# Altium PCB LarixEDUV3b.PcbDoc (part 2 of 2)
Units mm, origin at the board's own origin, x right, y up, seen from the top; angles counter-clockwise.
Board outline 56 x 65 mm, 2 copper layers (Top Layer, Bottom Layer), stack 1.621 mm thick; 132 components, 118 nets, 633 pads, 273 vias.
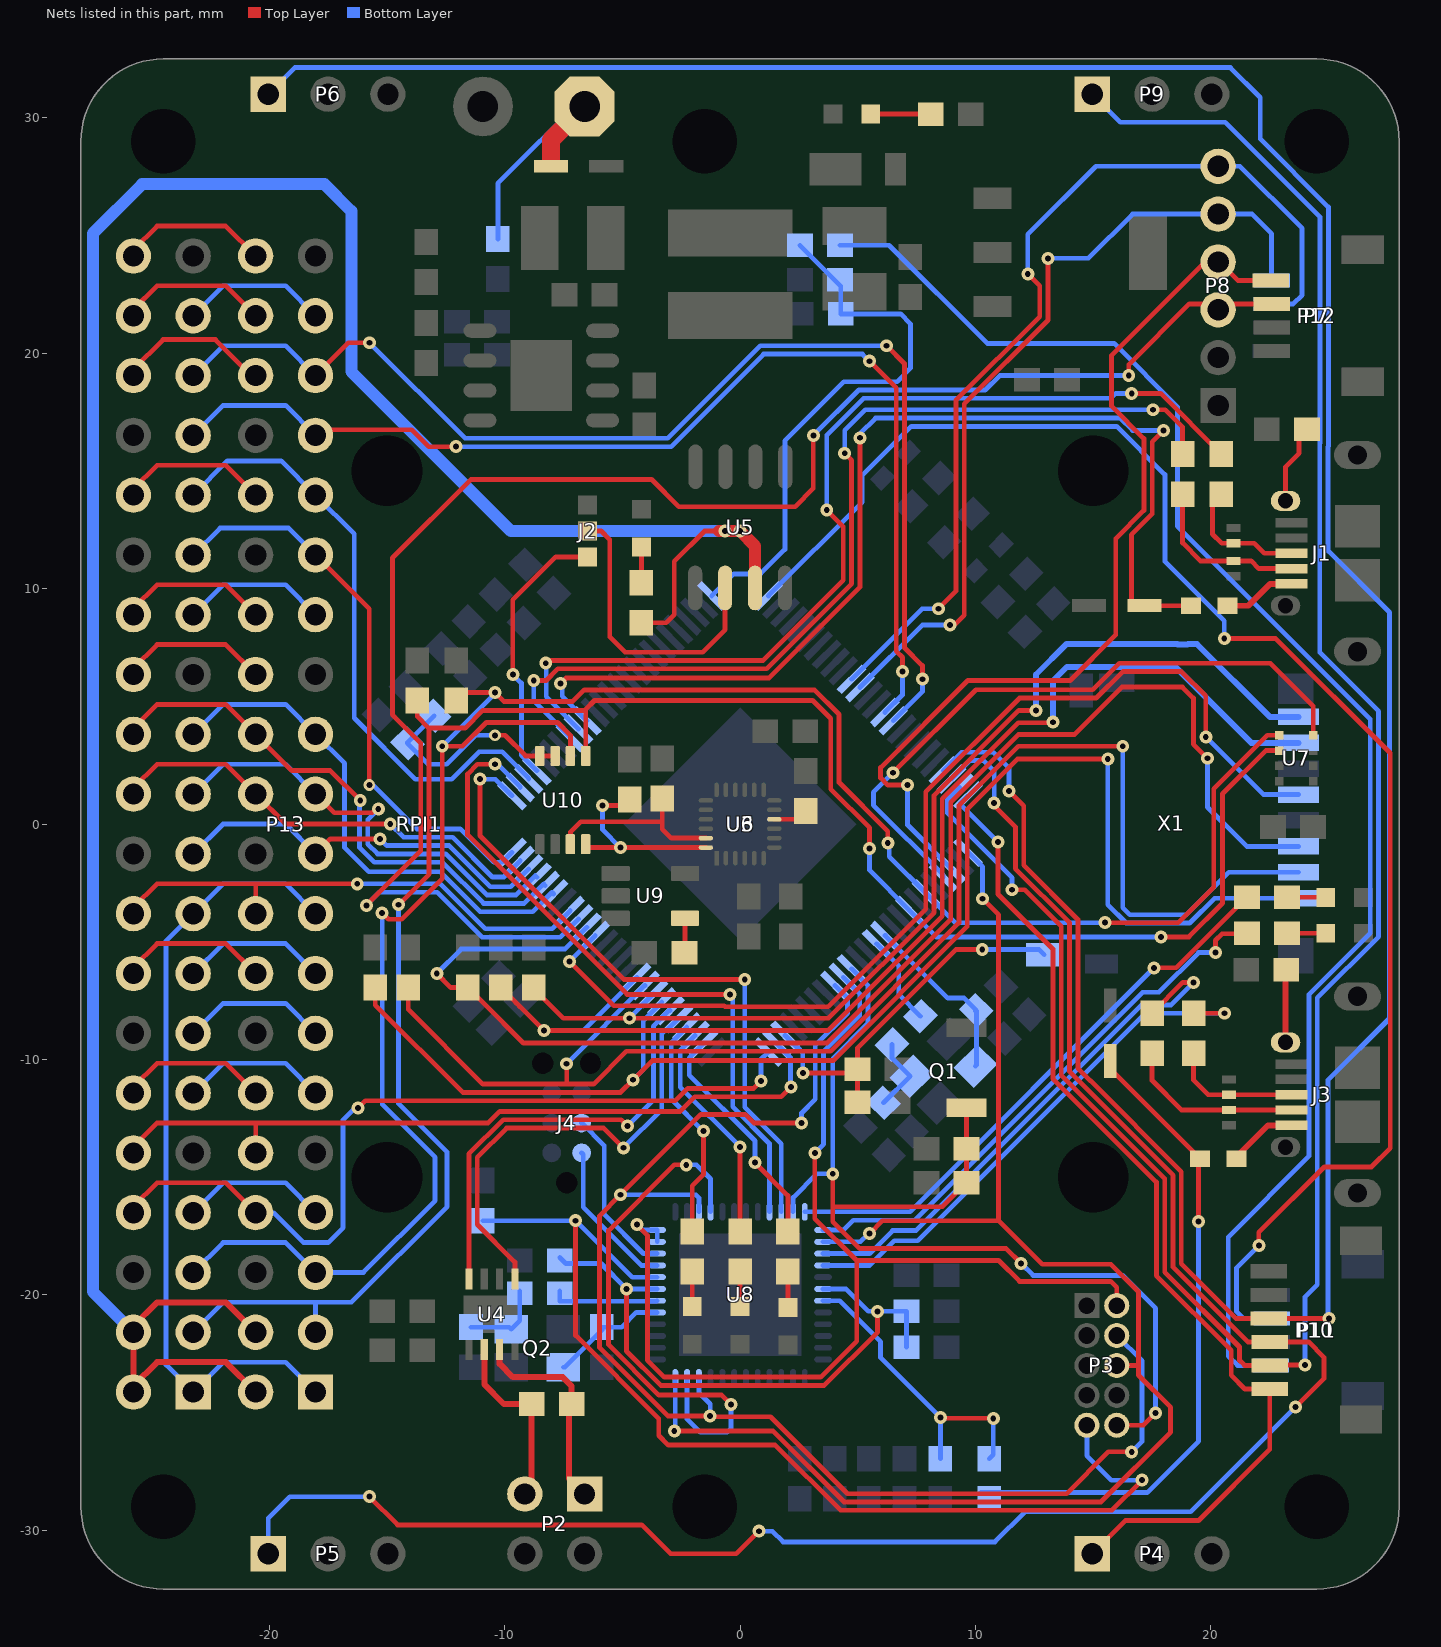
[diagram p2: the nets of this part, all layers, seen from the top]

## Via types
v1: diameter 0.55, hole 0.25, Top Layer to Bottom Layer, tented both sides, 269 vias
v2: diameter 0.5, hole 0.25, Top Layer to Bottom Layer, tented both sides, 4 vias

## Nets (pads, with @x,y where several pads share a name; then routed paths per layer and width w, separated by ;. In a path a pad name is that pad's centre, name@x,y a point inside that pad or via, vN(x,y) a via of type N, cw(c..) or ccw(c..) an arc to the next point about the centre after c; other vN are vias at no path point) (continued)
NetC23_1: C23.1 P3.10 R15.1 S1.2 U3.65 U8.47 | length 45.2
  Top Layer w0.203: v1(3.937,-14.859) 3.937,-16.256 ; S1.2@9.613,-12.055 R15.1@9.613,-13.793 C23.1@9.613,-15.24 8.597,-16.256 3.937,-16.256 ; v1(11.938,-18.669) 11.303,-18.034 5.08,-18.034 3.937,-16.891 3.937,-16.256 ; P3.10@16.002,-25.54 17.132,-25.54 v1(17.653,-25.019)
  Bottom Layer w0.203: U8.47@2.25,-16.475 2.25,-15.867 3.258,-14.859 v1(3.937,-14.859) 3.937,-9.969 5.433,-8.473 5.433,-6.847 U3.65@4.738,-6.152 ; v1(11.938,-18.669) 12.446,-19.177 16.256,-19.177 17.653,-20.574 v1(17.653,-25.019)
NetC24_2: C24.2 Q1.1 U3.61 | length 7.6
  Bottom Layer w0.203: U3.61@6.152,-4.738 6.174,-4.738 8.829,-7.393 9.516,-7.393 C24.2@10.03,-7.908 9.996,-7.942 10.041,-7.942 10.041,-10.243 Q1.1@9.996,-10.288
NetC25_1: C25.1 Q1.3 R16.2 | length 3.3
  Bottom Layer w0.203: C25.1@6.093,-11.845 7.223,-10.715 6.458,-9.951 R16.2@6.458,-9.364
NetC26_1: C26.1 R17.1 U3.73 X1.SW1 | length 16.4
  Top Layer w0.203: v1(2.667,-10.576) 4.83,-10.576 C26.1@4.992,-10.414 R17.1@4.992,-11.811 ; C26.1@5.157,-10.414 4.992,-10.249 4.992,-9.508 9.166,-5.334 v1(10.287,-5.334)
  Bottom Layer w0.203: U3.73@1.909,-8.98 2.413,-9.484 2.444,-9.484 2.667,-9.707 v1(2.667,-10.576) ; v1(10.287,-5.334) 12.709,-5.334 X1.SW1@12.925,-5.55
NetC27_2: C27.2 U6.10 | length 1.6
  Top Layer w0.203: U6.10@1.45,0.2 2.37,0.2 2.794,0.624 C27.2@2.794,0.674
NetC31_1: C31.1 R25.2 R26.2 U3.25 | length 23.8
  Bottom Layer w0.203: U3.25@-1.202,9.687 -0.267,10.623 0.864,10.623 1.905,11.664 1.905,16.283 4.411,18.789 6.669,18.789 7.239,19.359 7.239,21.249 6.822,21.666 C31.1@4.279,21.666 4.279,22.849 R25.2@2.544,24.584
NetC32_2: C32.2 Q2.3 U8.29 | length 5
  Bottom Layer w0.203: Q2.3@-7.505,-23.075 -7.441,-23.075 -5.866,-21.5 C32.2@-5.866,-21.375 -5.031,-21.375 -4.406,-20.75 U8.29@-3.525,-20.75
NetC33_2: C33.2 Q2.1 R29.1 | length 3.5
  Bottom Layer w0.203: C33.2@-11.43,-21.375 -9.81,-21.375 Q2.1@-9.723,-21.462 -9.359,-21.098 R29.1@-9.359,-19.837
NetC34_2: C34.2 C35.2 C36.2 U8.6 U8.31 | length 25.9
  Top Layer w0.203: v1(-4.826,-19.75) -4.826,-22.387 -3.364,-23.848 3.575,-23.848 5.842,-21.582 v1(5.842,-20.701)
  Bottom Layer w0.203: C35.2@-7.659,-18.415 -7.405,-18.669 -5.907,-18.669 v1(-4.826,-19.75) U8.31@-3.525,-19.75 ; U8.6@3.525,-19.75 4.497,-19.75 5.448,-20.701 v1(5.842,-20.701) C34.2@7.07,-20.701 C36.2@7.07,-22.225
NetC42_1: C42.1 U9.4 | length 1.5
  Top Layer w0.203: C42.1@-2.368,-5.461 -2.335,-5.428 U9.4@-2.335,-4.002
NetC44_1: C44.1 R36.1 U10.7 U10.8 | length 9.2
  Top Layer w0.203: v2(-10.414,3.766) -9.986,3.766 -9.111,2.891 U10.8@-8.507,2.891 U10.7@-7.857,2.891
  Bottom Layer w0.203: R36.1@-12.988,4.6 -14.131,3.457 C44.1@-14.131,3.429 -13.241,2.54 -12.458,2.54 -11.232,3.766 v2(-10.414,3.766)
NetD1_2: D1.2 L1.1 U3.10 | length 46.4
  Top Layer w0.203: v1(-7.62,5.969) -7.393,6.196 1.226,6.196 5.091,10.061 v1(5.091,16.406) ; D1.2@17.177,9.275 16.623,9.275 16.623,12.289 17.509,13.174 17.509,16.238 v1(17.992,16.721) ; D1.2@17.653,9.275 19.16,9.275 L1.1@19.164,9.271
  Bottom Layer w0.203: v1(-7.62,5.969) -7.554,5.903 -7.554,5.432 U3.10@-6.505,4.384 ; v1(5.091,16.406) 5.091,16.576 5.759,17.244 16.148,17.244 16.671,16.721 v1(17.992,16.721)
NetD2_2: D2.2 J1.2 R1.2 | length 7.1
  Top Layer w0.203: R1.2@18.796,14.009 18.796,11.938 19.558,11.176 D2.2@20.955,11.176 21.717,11.176 22.043,10.85 J1.2@23.423,10.85
NetD3_2: D3.2 J1.3 R2.2 | length 5.8
  Top Layer w0.203: R2.2@20.447,14.009 20.066,14.009 20.066,12.319 20.462,11.923 D3.2@20.955,11.923 21.844,11.923 22.267,11.5 J1.3@23.423,11.5
NetD5_1: D5.1 R5.2 | length 2.5
  Top Layer w0.203: D5.1@5.549,30.158 R5.2@8.099,30.158
NetD6_1: D6.1 R9.1 | length 1.5
  Top Layer w0.203: R9.1@-4.191,10.248 D6.1@-4.191,11.773
NetD7_1: D7.1 R22.2 | length 1.5
  Top Layer w0.203: D7.1@-2.032,-20.498 R22.2@-2.032,-19.011
NetD8_1: D8.1 R23.2 | length 1.5
  Top Layer w0.203: D8.1@0,-20.498 R23.2@0,-19.011
NetD9_1: D9.1 R24.2 | length 1.5
  Top Layer w0.203: R24.2@2.032,-19.011 2.032,-20.528 D9.1@2.041,-20.536
NetD10_1: D10.1 R27.1 | length 1.7
  Top Layer w0.203: R27.1@23.226,-4.639 D10.1@24.878,-4.639
NetD11_1: D11.1 R28.1 | length 1.7
  Top Layer w0.203: R28.1@23.226,-3.116 D11.1@24.878,-3.116
NetD12_2: D12.2 L5.1 R31.1 | length 28
  Top Layer w0.203: D12.2@15.726,-10.065 15.726,-10.405 L5.1@19.545,-14.224 ; L5.1@19.265,-14.351 19.477,-14.351 v1(19.477,-16.891)
  Bottom Layer w0.203: R31.1@10.229,-28.399 17.295,-28.399 19.477,-26.217 v1(19.477,-16.891)
NetD13_2: D13.2 J3.2 R33.2 | length 7.6
  Top Layer w0.203: R33.2@17.5,-9.74 17.5,-10.896 18.754,-12.15 D13.2@20.775,-12.15 J3.2@23.423,-12.15
NetD14_2: D14.2 J3.3 R34.2 | length 5.6
  Top Layer w0.203: R34.2@19.265,-9.74 19.265,-10.883 19.882,-11.5 D14.2@20.775,-11.5 J3.3@23.423,-11.5
NetD15_2: D15.2 P1.1 R3.2 | length 10.4
  Top Layer w0.762: D15.2@-8.034,28.194 -8.034,29.05 P1.1@-6.604,30.48
  Bottom Layer w0.203: R3.2@-10.287,24.853 -10.287,27.213 P1.1@-6.65,30.85
NetJ1_1: J1.1 L1.2 | length 3.1
  Top Layer w0.254: L1.2@20.714,9.271 21.59,9.271 22.519,10.2 J1.1@23.423,10.2
NetJ1_Z1: J1.Z2 R4.2 | length 3.3
  Top Layer w0.203: J1.Z2@23.172,13.725 23.172,15.171 23.747,15.746 R4.2@23.747,16.764
NetJ2_2: J2.2 U5.2 | length 12.6
  Top Layer w0.203: J2.2@-6.477,12.446 -5.901,12.446 -5.536,12.081 -5.536,7.949 -4.886,7.299 -1.591,7.299 -0.635,8.255 U5.2@-0.635,10.028
NetJ2_3: J2.3 U3.4 | length 11.6
  Top Layer w0.203: v1(-9.652,6.35) -9.652,9.525 -7.831,11.346 J2.3@-6.477,11.346
  Bottom Layer w0.203: v1(-9.652,6.35) -9.289,5.987 -9.289,2.925 U3.4@-8.627,2.263
NetJ3_1: J3.1 L5.2 | length 2.9
  Top Layer w0.254: L5.2@21.082,-14.146 22.428,-12.8 J3.1@23.423,-12.8
NetJ3_Z1: J3.Z2 R35.2 | length 3.1
  Top Layer w0.254: J3.Z2@23.172,-9.275 23.172,-6.253 R35.2@23.241,-6.184
NetJ4_2: J4.2 U8.33 | length 6.5
  Bottom Layer w0.203: J4.2@-6.731,-13.97 -6.664,-14.037 -6.664,-16.276 -4.191,-18.75 U8.33@-3.525,-18.75
NetJ4_4: J4.4 U8.34 | length 7.2
  Bottom Layer w0.203: J4.4@-6.731,-12.7 -5.77,-13.661 -5.77,-16.582 -4.102,-18.25 U8.34@-3.525,-18.25
NetP2_1: P2.1 R8.2 U4.7 | length 9
  Top Layer w0.254: U4.7@-10.216,-22.328 -10.216,-22.931 -9.652,-23.495 -7.532,-23.495 -7.151,-23.876 R8.2@-7.151,-24.638 -7.263,-24.75 -7.263,-27.801 P2.1@-6.604,-28.46
NetP2_3: P2.3 R8.1 U4.6 | length 7.8
  Top Layer w0.254: U4.6@-10.866,-22.328 -10.866,-23.805 -10.033,-24.638 R8.1@-8.851,-24.638 -8.851,-28.167 P2.3@-9.144,-28.46
NetP3_2: P3.2 U3.66 U8.35 U8.36 | length 46.8
  Top Layer w0.203: v1(-4.386,-17.018) -3.937,-17.467 -3.937,-22.776 -3.218,-23.495 3.429,-23.495 4.953,-21.971 4.953,-18.542 ; v1(3.175,-13.97) 3.175,-16.764 4.953,-18.542 ; P3.2@16.002,-20.46 16.002,-19.685 15.748,-19.431 11.873,-19.431 10.984,-18.542 4.953,-18.542
  Bottom Layer w0.203: v1(-4.386,-17.018) -4.154,-17.25 U8.36@-3.525,-17.25 -3.516,-17.25 U8.35@-3.516,-17.75 ; v1(3.175,-13.97) 3.55,-13.595 3.55,-9.66 5.08,-8.13 5.08,-7.201 U3.66@4.384,-6.505
NetP3_4: P3.4 U3.67 U8.22 U8.39 | length 60.3
  Top Layer w0.203: v1(2.609,-12.7) 0.579,-12.7 0.217,-12.338 -1.67,-12.338 v1(-5.08,-15.748) -5.969,-16.637 -5.969,-22.242 -3.065,-25.146 v1(-1.27,-25.146) -1.239,-25.177 1.293,-25.177 4.563,-28.448 13.867,-28.448 15.645,-26.67 v1(16.637,-26.67)
  Bottom Layer w0.203: v1(-5.08,-15.748) -1.877,-15.748 -1.75,-15.875 U8.39@-1.75,-16.475 ; U8.22@-1.75,-23.525 -1.75,-24.158 -1.27,-24.638 v1(-1.27,-25.146) ; v1(2.609,-12.7) 2.609,-12.28 3.196,-11.693 3.196,-9.403 4.565,-8.034 4.565,-7.393 U3.67@4.031,-6.859 ; P3.4@16.002,-21.73 17.077,-22.805 17.077,-26.23 v1(16.637,-26.67)
NetP3_6: P3.6 U3.51 U8.2 U8.24 | length 64.5
  Top Layer w0.203: v1(-2.794,-25.781) 1.397,-25.781 4.417,-28.801 15.327,-28.801 18.288,-25.84 18.288,-24.778 16.925,-23.415 16.925,-23 ; v1(5.5,-17.399) 6.047,-16.852 10.984,-16.852 ; v1(10.3,-3.175) 10.984,-3.859 10.984,-16.852 ; P3.6@16.002,-23 16.925,-23 ; 10.984,-16.852 12.832,-18.7 15.754,-18.7 16.925,-19.871 16.925,-23
  Bottom Layer w0.203: v1(-2.794,-25.781) -2.75,-25.737 U8.24@-2.75,-23.525 ; U8.2@3.525,-17.75 5.11,-17.75 5.461,-17.399 v1(5.5,-17.399) ; U3.51@9.687,-1.202 10.3,-1.815 v1(10.3,-3.175)
NetP3_9: P3.9 R30.2 U8.32 | length 45.4
  Top Layer w0.203: v1(-6.985,-16.852) -6.985,-21.726 -3.455,-25.256 -3.455,-25.976 -3.05,-26.382 1.498,-26.382 4.271,-29.154 15.795,-29.154 v1(17.077,-27.872)
  Bottom Layer w0.203: R30.2@-10.922,-16.852 -7.015,-16.852 v1(-6.985,-16.852) ; v1@-6.979,-16.852 -4.581,-19.25 U8.32@-3.525,-19.25 ; P3.9@14.732,-25.54 14.732,-26.836 15.768,-27.872 v1(17.077,-27.872)
NetP4_1: P4.1 P10.1 U3.50 | length 43.4
  Top Layer w0.203: v1(10.956,-0.762) 10.956,-2.974 13.291,-5.309 13.291,-10.814 17.686,-15.209 17.686,-19.186 20.862,-22.362 20.862,-23.42 21.442,-24 P10.1@22.5,-24 22.5,-26.565 19.474,-29.591 16.369,-29.591 P4.1@14.96,-31
  Bottom Layer w0.203: U3.50@9.687,1.202 9.34,0.854 v1(10.956,-0.762)
NetP5_1: P5.1 P10.3 U3.48 | length 86.6
  Top Layer w0.203: v1(-15.748,-28.575) -14.551,-29.772 -4.181,-29.772 -2.953,-31 -0.161,-31 v1(0.797,-30.042) ; v1(10.795,0.889) 10.795,0.779 11.695,-0.122 11.695,-1.9 13.998,-4.203 13.998,-10.522 18.392,-14.916 18.392,-18.826 21.566,-22 P10.3@22.5,-22 24.149,-22 24.799,-22.65 24.799,-23.555 v1(23.597,-24.757)
  Bottom Layer w0.203: P5.1@-20.04,-31 -20.04,-29.482 -19.133,-28.575 v1(-15.748,-28.575) ; v1(0.797,-30.042) 1.374,-30.042 1.827,-30.494 10.828,-30.494 12.11,-29.212 19.142,-29.212 v1(23.597,-24.757) ; U3.48@8.98,1.909 9.766,2.695 10.348,2.695 10.795,2.247 v1(10.795,0.889)
NetP6_1: P6.1 P10.4 U3.47 | length 133.1
  Top Layer w0.203: v1(11.43,1.397) 12.048,0.779 12.048,-1.754 14.351,-4.056 14.351,-10.375 14.84,-10.865 ; 14.87,-10.894 18.746,-14.77 18.746,-18.68 21.066,-21 P10.4@22.468,-21 v1(25.019,-21)
  Bottom Layer w0.203: P6.1@-20.04,31 -18.909,32.131 20.828,32.131 22.098,30.861 22.098,29.102 24.992,26.207 24.992,16.044 24.976,16.028 24.976,11.6 27.587,8.989 27.587,-8.262 24.976,-10.873 24.976,-20.957 v1(25.019,-21) ; U3.47@8.627,2.263 9.412,3.048 10.756,3.048 11.43,2.374 v1(11.43,1.397)
NetP7_3: P7.3 P8.3 U3.92 | length 70.9
  Top Layer w0.203: v1(-15.875,-3.458) -13.561,-1.144 -13.561,3.438 -14.765,4.642 -14.765,11.299 -11.425,14.639 -3.762,14.639 -2.601,13.479 2.336,13.479 3.111,14.254 v1(3.111,16.51) ; v1(16.51,19.05) 16.51,19.513 19.087,22.09 P7.3@22.578,22.09
  Bottom Layer w0.203: v1(-15.875,-3.458) -15.319,-2.903 -12.865,-2.903 -10.959,-4.808 -7.637,-4.808 U3.92@-6.859,-4.031 ; v1(3.111,16.51) 5.037,18.436 10.42,18.436 11.034,19.05 v1(16.51,19.05)
NetP7_4: P7.4 P8.4 U3.53 | length 40
  Top Layer w0.203: v1(7.112,1.651) 6.277,1.651 5.968,1.96 5.968,2.396 9.668,6.096 14.025,6.096 15.962,8.033 15.962,12.127 17.156,13.321 17.156,16.373 15.782,17.746 15.782,19.913 19.732,23.863 20.373,23.863 21.145,23.09 P7.4@22.546,23.09
  Bottom Layer w0.203: v1(7.112,1.651) 7.112,-0.041 U3.53@8.98,-1.909
NetP8_5: P8.5 P12.1 U3.37 | length 34.7
  Top Layer w0.203: v1(8.913,8.45) 9.098,8.45 9.525,8.877 9.525,17.85 13.081,21.406 v1@13.081,23.805
  Bottom Layer w0.203: U3.37@5.091,5.798 7.743,8.45 v1(8.913,8.45) ; v1(13.085,24.029) 14.797,24.029 16.675,25.908 P8.5@20.309,25.908 21.747,25.908 22.578,25.077 P12.1@22.578,23.09
NetP8_6: P8.6 P12.2 U3.36 | length 41
  Top Layer w0.203: v1(8.426,9.144) 9.172,9.89 9.172,17.996 12.728,21.552 12.728,22.863 v1(12.223,23.368)
  Bottom Layer w0.203: U3.36@4.738,6.152 7.73,9.144 v1(8.426,9.144) ; v1(12.223,23.368) 12.223,25.043 15.12,27.94 P8.6@20.309,27.94 21.231,27.94 23.873,25.298 23.873,22.462 23.501,22.09 P12.2@22.578,22.09
NetP9_1: P9.1 P10.2 U3.49 | length 95.8
  Top Layer w0.203: v1(11.557,-2.794) 12.09,-2.794 13.645,-4.349 13.645,-10.668 18.039,-15.062 18.039,-19.04 21.216,-22.216 21.216,-22.787 21.429,-23 P10.2@22.5,-23 22.513,-22.987 v1(24.003,-22.987)
  Bottom Layer w0.203: U3.49@9.334,1.556 8.799,1.021 8.799,0.472 11.557,-2.286 v1(11.557,-2.794) ; P9.1@14.96,31 16.149,29.811 20.608,29.811 24.638,25.781 24.638,16.189 24.623,16.174 24.623,7.289 27.126,4.786 27.126,-4.782 24.517,-7.39 24.517,-19.575 24.003,-20.09 v1(24.003,-22.987)
NetP11_2: P11.2 U3.26 | length 67.6
  Top Layer w0.203: v1(20.57,7.874) 22.759,7.874 27.616,3.017 27.616,-13.775 26.821,-14.571 24.817,-14.571 22.036,-17.352 v1(22.036,-17.907)
  Bottom Layer w0.203: U3.26@1.202,9.687 5.19,13.676 5.19,14.813 7.268,16.891 16.002,16.891 18.047,14.846 18.047,11.152 20.57,8.63 v1(20.57,7.874) ; v1(22.036,-17.907) 21.089,-18.854 21.089,-20.71 21.378,-21 P11.2@22.578,-21
NetP11_4: P11.4 R25.1 | length 65.4
  Bottom Layer w0.203: R25.1@4.244,24.584 6.327,24.584 10.497,20.414 15.89,20.414 18.578,17.727 18.578,12.651 26.773,4.456 26.773,-4.636 24.164,-7.244 24.164,-14.118 20.736,-17.546 20.736,-22.604 21.132,-23 P11.4@22.546,-23
NetP13_2: P13.2 P13.4 R9.2 RPI1.2 RPI1.4 U5.3 | length 110.7
  Top Layer w0.203: R9.2@-4.191,8.548 -3.136,8.548 -2.794,8.89 -2.794,11.161 -1.509,12.446 v1@-0.889,12.446
  Top Layer w0.254: RPI1.2@-25.77,-24.13 RPI1.2@-25.77,-23.865 ; P13.2@-20.576,-24.13 -21.846,-22.86 -24.765,-22.86 RPI1.2@-25.77,-23.865 ; P13.4@-20.576,-21.59 -21.846,-20.32 -24.765,-20.32 -25.77,-21.325 RPI1.4@-25.77,-21.59 RPI1.2@-25.77,-23.865
  Top Layer w0.508: v1@-0.889,12.446 v1(-0.635,12.446) v1(0,12.446) 0.635,11.811 U5.3@0.635,10.028
  Bottom Layer w0.508: RPI1.4@-25.77,-21.59 -27.494,-19.866 -27.494,25.084 -25.4,27.178 -17.653,27.178 -16.51,26.035 -16.51,19.217 -9.739,12.446 v1(-0.635,12.446) v1(0,12.446)
NetP13_3: P13.3 R19.1 RPI1.3 U3.58 U7.3 U10.5 | length 88.9
  Top Layer w0.203: v1(-14.505,-3.429) -13.208,-2.132 -13.208,4.064 ; R19.1@-13.716,5.246 -13.716,4.572 -13.219,4.075 -11.673,4.075 -10.922,4.826 -6.557,4.826 ; U10.5@-6.557,2.891 -6.557,4.826 ; v1(5.499,-1.035) 5.499,-0.165 3.849,1.485 3.849,4.481 3.084,5.246 -6.184,5.246 -6.557,4.873 -6.557,4.826 ; v1(17.879,-4.798) 19.065,-4.798 20.494,-3.37 20.494,1.282 22.33,3.119 U7.3@22.897,3.119
  Bottom Layer w0.203: RPI1.3@-23.23,-21.59 -21.96,-20.32 -18.036,-20.32 ; P13.3@-18.036,-21.59 -18.036,-20.32 ; v1(-14.505,-3.429) -14.505,-11.877 -12.446,-13.936 -12.446,-16.256 -16.51,-20.32 -18.036,-20.32 ; v1(5.499,-1.035) 5.499,-1.963 U3.58@7.212,-3.677 8.334,-4.798 v1(17.879,-4.798)
NetP13_5: P13.5 R18.1 RPI1.5 U3.56 U7.4 U10.6 | length 92.5
  Top Layer w0.203: v1(-15.203,-3.776) -14.934,-4.045 -14.376,-4.045 -12.651,-2.32 v1(-12.651,3.302) -11.794,3.302 -10.784,4.311 -7.753,4.311 -7.207,3.766 U10.6@-7.207,2.891 ; R18.1@-12.065,5.246 -11.723,5.588 v1(-10.414,5.588) -10.033,5.207 -7.112,5.207 -6.623,5.696 3.16,5.696 4.202,4.654 4.202,1.767 6.275,-0.306 v1(6.275,-0.814) ; v1(15.494,-4.191) 18.615,-4.191 20.12,-2.686 20.12,1.491 22.398,3.769 U7.4@22.897,3.769
  Bottom Layer w0.203: RPI1.5@-23.23,-19.05 -21.96,-17.78 -19.306,-17.78 P13.5@-18.036,-19.05 -16.002,-19.05 -12.954,-16.002 -12.954,-14.159 -15.203,-11.91 v1(-15.203,-3.776) ; v1(-12.651,3.302) -10.414,5.539 v1(-10.414,5.588) ; v1(6.275,-0.814) 6.342,-0.881 6.342,-1.392 U3.56@7.92,-2.97 9.141,-4.191 v1(15.494,-4.191)
NetP13_7: P13.7 RPI1.7 | length 6.2
  Bottom Layer w0.203: RPI1.7@-23.23,-16.51 -21.96,-15.24 -19.306,-15.24 P13.7@-18.036,-16.51
NetP13_8: P13.8 RPI1.8 U3.75 | length 35.3
  Top Layer w0.203: RPI1.8@-25.77,-16.51 -25.77,-16.245 -24.765,-15.24 -21.846,-15.24 P13.8@-20.576,-16.51 ; v1(-16.222,-12.065) -15.912,-11.755 -2.75,-11.755 -2.226,-11.232 0.579,-11.232 v1(0.889,-10.922)
  Bottom Layer w0.203: P13.8@-20.576,-16.51 -19.812,-16.51 -18.542,-17.78 -17.5,-17.78 -16.863,-17.143 -16.863,-12.562 -16.366,-12.065 v1(-16.222,-12.065) ; v1(0.889,-10.922) 0.889,-10 U3.75@1.202,-9.687
NetP13_10: P13.10 RPI1.10 U3.74 | length 32.6
  Top Layer w0.203: RPI1.10@-25.77,-13.97 -25.77,-13.705 -24.765,-12.7 -20.576,-12.7 ; P13.10@-20.576,-13.97 -20.576,-12.7 ; v1(2.159,-11.176) 1.75,-11.585 -1.916,-11.585 -2.54,-12.209 -10.21,-12.209 -10.701,-12.7 -20.576,-12.7
  Bottom Layer w0.203: U3.74@1.556,-9.334 2.141,-9.919 2.141,-11.158 v1(2.159,-11.176)
NetP13_11: P13.11 RPI1.11 | length 6.2
  Bottom Layer w0.203: RPI1.11@-23.23,-11.43 -21.96,-10.16 -19.306,-10.16 P13.11@-18.036,-11.43
NetP13_12: P13.12 RPI1.12 | length 6.4
  Top Layer w0.203: RPI1.12@-25.77,-11.43 -25.77,-11.165 -24.765,-10.16 -21.846,-10.16 P13.12@-20.576,-11.43
NetP13_13: P13.13 RPI1.13 | length 6.2
  Bottom Layer w0.203: RPI1.13@-23.23,-8.89 -21.96,-7.62 -19.306,-7.62 P13.13@-18.036,-8.89
NetP13_15: P13.15 RPI1.15 | length 6.2
  Bottom Layer w0.203: RPI1.15@-23.23,-6.35 -21.96,-5.08 -19.306,-5.08 P13.15@-18.036,-6.35
NetP13_16: P13.16 RPI1.16 | length 6.4
  Top Layer w0.203: RPI1.16@-25.77,-6.35 -25.77,-6.085 -24.765,-5.08 -21.846,-5.08 P13.16@-20.576,-6.35
NetP13_18: P13.18 RPI1.18 U3.93 | length 21.6
  Top Layer w0.203: RPI1.18@-25.77,-3.81 -25.77,-3.545 -24.765,-2.54 -20.576,-2.54 ; P13.18@-20.576,-3.81 -20.576,-2.54 ; v1(-16.262,-2.54) -20.576,-2.54
  Bottom Layer w0.203: v1(-16.262,-2.54) -12.728,-2.54 -10.816,-4.452 -7.987,-4.452 U3.93@-7.212,-3.677
NetP13_19: P13.19 RPI1.19 U3.98 | length 16.7
  Top Layer w0.203: P13.19@-18.036,-1.27 -17.399,-0.633 v1(-15.289,-0.633)
  Bottom Layer w0.203: RPI1.19@-23.23,-1.27 -21.96,0 -19.306,0 P13.19@-18.036,-1.27 ; v1(-15.289,-0.633) -15.004,-0.917 -12.353,-0.917 -10.603,-2.667 -9.738,-2.667 U3.98@-8.98,-1.909
NetP13_21: P13.21 RPI1.21 U3.97 | length 19.4
  Top Layer w0.203: P13.21@-18.036,1.27 -17.24,0.474 -15.622,0.474 -15.461,0.635 v1(-15.367,0.635)
  Bottom Layer w0.203: RPI1.21@-23.23,1.27 -21.96,2.54 -19.306,2.54 P13.21@-18.036,1.27 ; v1(-15.367,0.635) -15.815,0.187 -15.815,-0.851 -15.396,-1.27 -12.499,-1.27 -10.749,-3.02 -9.523,-3.02 -8.696,-2.193 U3.97@-8.627,-2.263
NetP13_22: P13.22 RPI1.22 U3.99 | length 19.4
  Top Layer w0.203: RPI1.22@-25.77,1.27 -25.77,1.535 -24.765,2.54 -21.846,2.54 P13.22@-20.576,1.27 -19.306,0 v1(-14.859,0)
  Bottom Layer w0.203: v1(-14.859,0) -14.856,0 -14.293,-0.564 -12.206,-0.564 -10.518,-2.252 -10.03,-2.252 U3.99@-9.334,-1.556
NetP13_23: P13.23 RPI1.23 U3.95 | length 22
  Bottom Layer w0.203: RPI1.23@-23.23,3.81 -21.96,5.08 -19.306,5.08 P13.23@-18.036,3.81 -16.801,2.575 -16.801,-1.008 -15.777,-2.032 -12.736,-2.032 -11.041,-3.727 -8.816,-3.727 -7.989,-2.9 U3.95@-7.92,-2.97
NetP13_24: P13.24 RPI1.24 U3.96 | length 23.3
  Top Layer w0.203: RPI1.24@-25.77,3.81 -25.77,4.075 -24.765,5.08 -21.846,5.08 -19.037,2.271 -17.405,2.271 v1(-16.133,1)
  Bottom Layer w0.203: v1(-16.133,1) -16.168,0.965 -16.168,-0.997 -15.542,-1.623 -12.645,-1.623 -10.895,-3.373 -9.169,-3.373 -8.343,-2.547 U3.96@-8.273,-2.616
NetP13_26: P13.26 RPI1.26 | length 6.4
  Top Layer w0.203: RPI1.26@-25.77,6.35 -25.77,6.615 -24.765,7.62 -21.846,7.62 P13.26@-20.576,6.35
NetP13_27: P13.27 RPI1.27 | length 6.2
  Bottom Layer w0.203: RPI1.27@-23.23,8.89 -21.96,10.16 -19.306,10.16 P13.27@-18.036,8.89
NetP13_28: P13.28 RPI1.28 | length 6.4
  Top Layer w0.203: RPI1.28@-25.77,8.89 -25.77,9.155 -24.765,10.16 -21.846,10.16 P13.28@-20.576,8.89
NetP13_29: P13.29 RPI1.29 U3.100 | length 24.5
  Top Layer w0.203: P13.29@-18.036,11.43 -15.837,9.231 -15.748,9.142 v2(-15.748,1.651)
  Bottom Layer w0.203: RPI1.29@-23.23,11.43 -22.087,12.573 -19.179,12.573 P13.29@-18.036,11.43 ; v2(-15.748,1.651) -15.588,1.651 -15.475,1.537 -13.727,-0.211 -11.883,-0.211 -10.467,-1.626 -10.112,-1.626 U3.100@-9.687,-1.202
NetP13_31: P13.31 RPI1.31 U3.3 | length 26
  Bottom Layer w0.203: RPI1.31@-23.23,13.97 -21.779,15.421 -19.487,15.421 P13.31@-18.036,13.97 -16.39,12.324 -16.39,4.503 -13.792,1.905 -12.248,1.905 -11.087,3.066 -10.109,3.066 -8.98,1.938 U3.3@-8.98,1.909
NetP13_32: P13.32 RPI1.32 | length 6.4
  Top Layer w0.203: RPI1.32@-25.77,13.97 -25.77,14.235 -24.765,15.24 -21.846,15.24 P13.32@-20.576,13.97
NetP13_33: P13.33 RPI1.33 U3.40 | length 47.7
  Top Layer w0.203: P13.33@-18.036,16.51 -17.794,16.752 -13.95,16.752 -13.227,16.029 v1(-12.074,16.029) ; v1(5.499,19.659) 6.632,18.526 6.632,7.347 6.899,7.079 v1(6.899,6.477)
  Bottom Layer w0.203: RPI1.33@-23.23,16.51 -21.96,17.78 -19.306,17.78 P13.33@-18.036,16.51 ; v1(-12.074,16.029) -2.932,16.029 1.001,19.961 5.197,19.961 v1(5.499,19.659) ; U3.40@6.152,4.738 6.899,5.485 v1(6.899,6.477)
NetP13_35: P13.35 RPI1.35 U3.41 | length 51.5
  Top Layer w0.203: P13.35@-18.036,19.05 -16.642,20.444 v1(-15.742,20.444) ; v1@6.255,20.342 v1(6.228,20.315) 6.985,19.558 6.985,7.493 7.747,6.731 v1(7.747,6.151)
  Bottom Layer w0.203: RPI1.35@-23.23,19.05 -21.96,20.32 -19.306,20.32 P13.35@-18.036,19.05 ; v1(-15.742,20.444) -11.68,16.382 -3.078,16.382 0.855,20.315 v1(6.228,20.315) ; U3.41@6.505,4.384 7.747,5.626 v1(7.747,6.151)
NetP13_36: P13.36 RPI1.36 | length 6.6
  Top Layer w0.203: RPI1.36@-25.77,19.05 -25.77,19.315 -24.508,20.577 -22.286,20.577 -20.759,19.05 P13.36@-20.576,19.05
NetP13_37: P13.37 RPI1.37 | length 6.2
  Bottom Layer w0.203: RPI1.37@-23.23,21.59 -21.96,22.86 -19.306,22.86 P13.37@-18.036,21.59
NetP13_38: P13.38 RPI1.38 | length 6.4
  Top Layer w0.203: RPI1.38@-25.77,21.59 -25.77,21.855 -24.765,22.86 -21.846,22.86 P13.38@-20.576,21.59
NetP13_40: P13.40 RPI1.40 | length 6.4
  Top Layer w0.203: RPI1.40@-25.77,24.13 -25.77,24.395 -24.765,25.4 -21.846,25.4 P13.40@-20.576,24.13
NetR1_1: R1.1 U3.8 | length 41.1
  Top Layer w0.203: v1(-8.763,6.096) -8.238,6.096 -7.741,6.593 1.124,6.593 4.738,10.207 4.738,15.455 v1(4.445,15.748) ; v1(17.543,17.597) 18.059,17.597 18.796,16.86 R1.1@18.796,15.709
  Bottom Layer w0.203: v1(-8.763,6.096) -8.763,5.227 U3.8@-7.212,3.677 ; v1(4.445,15.748) 4.445,16.718 5.324,17.597 v1(17.543,17.597)
NetR2_1: R2.1 U3.9 | length 42.5
  Top Layer w0.203: v1(-8.255,6.83) -8.139,6.946 0.977,6.946 4.385,10.354 4.385,12.633 v1(3.683,13.335) ; v1(16.637,18.288) 17.868,18.288 R2.1@20.447,15.709
  Bottom Layer w0.203: v1(-8.255,6.83) -8.237,6.812 -8.237,5.408 U3.9@-6.859,4.031 ; v1(3.683,13.335) 3.683,16.519 5.247,18.083 15.751,18.083 15.957,18.288 v1(16.637,18.288)
NetR10_1: R10.1 U3.82 X1.1 | length 61.2
  Top Layer w0.203: R10.1@-15.201,-6.946 -15.494,-7.239 -15.494,-7.691 -11.783,-11.402 -5.08,-11.402 v1(-4.542,-10.865) -3.727,-10.05 3.951,-10.05 9.652,-4.348 9.652,0.635 11.772,2.755 v1(15.621,2.755)
  Bottom Layer w0.203: v1(-4.542,-10.865) -4.115,-10.438 -4.115,-8.358 U3.82@-3.323,-7.566 ; v1(15.621,2.755) 15.621,-3.429 16.397,-4.205 19.101,-4.205 20.155,-3.15 X1.1@23.725,-3.15
NetR11_1: R11.1 U3.83 X1.8 | length 46.2
  Top Layer w0.203: R11.1@-8.763,-6.946 -8.763,-6.996 -7.509,-8.25 3.753,-8.25 8.24,-3.763 8.24,1.22 11.846,4.826 v1(12.573,4.826)
  Bottom Layer w0.203: v1(-4.694,-8.25) -4.694,-8.23 U3.83@-3.677,-7.212
  Bottom Layer w0.254: v1(12.573,4.826) 12.573,6.35 13.863,7.64 18.572,7.64 18.578,7.635 19.014,7.635 19.02,7.64 19.411,7.64 22.501,4.55 X1.8@23.725,4.55
NetR12_1: R12.1 U3.84 X1.2 | length 62.4
  Top Layer w0.203: R12.1@-13.716,-6.946 -14.097,-7.327 -14.097,-7.874 -10.922,-11.049 -7.366,-11.049 ; v1(-7.366,-10.184) -7.366,-11.049 ; v1(16.256,3.302) 11.82,3.302 9.299,0.781 9.299,-4.202 3.849,-9.652 -4.826,-9.652 -6.223,-11.049 -7.366,-11.049
  Bottom Layer w0.203: v1(-7.366,-10.184) -7.366,-10.177 -4.047,-6.859 U3.84@-4.031,-6.859 ; v1(16.256,3.302) 16.256,-3.556 16.552,-3.852 18.954,-3.852 20.756,-2.05 X1.2@23.725,-2.05
NetR13_1: R13.1 U3.85 X1.7 | length 51.2
  Top Layer w0.203: R13.1@-10.16,-6.946 -9.514,-7.592 -9.514,-7.6 -9.367,-7.747 -9.359,-7.747 -8.636,-8.47 v1(-8.329,-8.777) 3.726,-8.777 8.593,-3.91 8.593,1.074 11.819,4.3 13.267,4.3 v1(13.291,4.324)
  Bottom Layer w0.203: v1(-8.329,-8.777) -6.655,-8.777 U3.85@-4.384,-6.505
  Bottom Layer w0.254: v1(13.291,4.324) 13.291,6.083 13.885,6.677 18.488,6.677 21.714,3.45 X1.7@23.725,3.45
NetR14_1: R14.1 U3.91 X1.3 | length 59.4
  Top Layer w0.203: v1(-12.883,-6.35) -12.288,-6.946 R14.1@-11.563,-6.946 -10.911,-7.598 -10.911,-7.6 -9.208,-9.303 -4.977,-9.303 -4.972,-9.299 3.703,-9.299 8.946,-4.056 8.946,0.927 11.816,3.798 14.203,3.798 16.22,5.814 18.792,5.814 19.257,5.348 19.257,3.388 v1(19.852,2.794)
  Bottom Layer w0.203: v1(-12.883,-6.35) -11.848,-5.316 -7.439,-5.316 -6.508,-4.384 U3.91@-6.505,-4.384 ; v1(19.852,2.794) 19.852,0.722 21.524,-0.95 X1.3@23.725,-0.95
NetR16_1: R16.1 U3.62 | length 3.8
  Bottom Layer w0.203: U3.62@5.798,-5.091 6.737,-6.03 6.737,-7.239 R16.1@7.66,-8.162
NetR20_1: R20.1 U6.23 U10.3 | length 7.9
  Top Layer w0.203: U10.3@-7.207,-0.859 -7.207,-0.344 -6.766,0.097 -3.302,0.097 ; R20.1@-3.302,1.082 -3.302,0.097 ; U6.23@-1.45,-0.6 -2.919,-0.6 -3.302,-0.217 -3.302,0.097
NetR21_1: R21.1 U6.24 U10.4 | length 8.5
  Top Layer w0.203: U10.4@-6.557,-0.859 -6.557,-0.902 -6.459,-1 v1(-5.08,-1) U6.24@-1.45,-1 ; v1(-5.842,0.781) -4.957,0.781 R21.1@-4.694,1.044
  Bottom Layer w0.203: v1(-5.842,0.781) -5.842,-0.238 v1(-5.08,-1)
NetR22_1: R22.1 U3.79 | length 9.7
  Top Layer w0.203: R22.1@-2.032,-17.311 -2.032,-15.367 -1.556,-14.891 v1(-1.556,-13.047)
  Bottom Layer w0.203: U3.79@-2.263,-8.627 -2.921,-9.285 -2.921,-11.682 v1(-1.556,-13.047)
NetR23_1: R23.1 U3.78 | length 9.6
  Top Layer w0.203: R23.1@0,-17.311 v1(0,-13.716)
  Bottom Layer w0.203: U3.78@-1.909,-8.98 -2.54,-9.611 -2.54,-11.176 v1(0,-13.716)
NetR24_1: R24.1 U3.77 | length 10
  Top Layer w0.203: v1(0.635,-14.386) 2.032,-15.783 R24.1@2.032,-17.311
  Bottom Layer w0.203: U3.77@-1.556,-9.334 -2.159,-9.937 -2.159,-10.668 0.635,-13.462 v1(0.635,-14.386)
NetR27_2: R27.2 U8.1 | length 23.5
  Top Layer w0.203: v1(20.193,-5.461) 20.193,-4.948 20.477,-4.664 R27.2@21.526,-4.664
  Bottom Layer w0.203: U8.1@3.525,-17.25 4.384,-17.25 4.806,-16.828 7.416,-16.828 17.098,-7.146 17.793,-7.146 19.477,-5.461 v1(20.193,-5.461)
NetR28_2: R28.2 U8.48 | length 24.3
  Top Layer w0.203: v1(17.584,-6.111) 18.531,-6.111 R28.2@21.526,-3.116
  Bottom Layer w0.203: U8.48@2.75,-16.475 7.22,-16.475 v1(17.584,-6.111)
NetR29_2: R29.2 U8.30 | length 4.6
  Bottom Layer w0.203: R29.2@-7.659,-19.837 R29.2@-7.659,-19.939 -7.659,-20.276 -3.551,-20.276 U8.30@-3.525,-20.25
NetR31_2: R31.2 R32.1 U8.7 | length 13.2
  Top Layer w0.203: v1(8.509,-25.204) 8.551,-25.246 v1(10.756,-25.246)
  Bottom Layer w0.203: U8.7@3.525,-20.25 4.23,-20.25 5.969,-21.989 5.969,-22.664 v1(8.509,-25.204) R32.1@8.509,-26.963 ; R31.2@10.588,-26.963 10.756,-26.795 v1(10.756,-25.246)
NetR33_1: R33.1 U8.3 | length 22.8
  Top Layer w0.203: R33.1@17.5,-8.04 18.809,-6.731 v1(19.265,-6.731)
  Bottom Layer w0.203: U8.3@3.525,-18.25 5.499,-18.25 6.477,-17.272 7.471,-17.272 17.056,-7.687 17.232,-7.687 18.309,-7.687 v1(19.265,-6.731)
NetR34_1: R34.1 U8.4 | length 22.8
  Top Layer w0.203: R34.1@19.265,-8.04 v1(20.574,-8.04)
  Bottom Layer w0.203: U8.4@3.525,-18.75 3.527,-18.752 5.505,-18.752 6.557,-17.7 7.542,-17.7 17.202,-8.04 v1(20.574,-8.04)
NetU3_1: U3.1 U8.46 | length 28.3
  Top Layer w0.203: v1(-11.049,1.905) -11.049,-0.489 -4.934,-6.604 v1(0.2,-6.604)
  Bottom Layer w0.203: v1(-11.049,1.905) -10.39,1.905 U3.1@-9.687,1.202 ; v1(0.2,-6.604) 0.2,-12.028 1.75,-13.578 U8.46@1.75,-16.475
NetU3_2: U3.2 U8.45 | length 29.3
  Top Layer w0.203: v1(-10.414,2.54) -11.159,2.54 -11.575,2.123 -11.575,-0.462 -4.798,-7.239 v1(-0.42,-7.239)
  Bottom Layer w0.203: v1(-10.414,2.54) -10.292,2.54 -9.334,1.582 U3.2@-9.334,1.556 ; v1(-0.42,-7.239) -0.314,-7.345 -0.314,-12.013 1.25,-13.578 U8.45@1.25,-16.475
NetU3_54: U3.54 U7.5 | length 28.3
  Top Layer w0.203: U7.5@24.347,3.769 24.347,5.01 22.527,6.83 16.11,6.83 14.985,5.706 10.022,5.706 v1(6.494,2.178) ; v1(6.494,2.178) 6.641,2.178 6.494,2.031 v1(6.494,2.178)
  Bottom Layer w0.203: v1(6.494,2.178) 5.666,1.349 5.666,0.803 8.627,-2.158 U3.54@8.627,-2.263
NetU3_80: U3.80 U4.1 | length 19.4
  Top Layer w0.203: U4.1@-9.566,-19.328 -9.566,-18.609 -11.163,-17.012 -11.163,-14.161 -9.918,-12.915 -5.791,-12.915 v1(-4.953,-13.754)
  Bottom Layer w0.203: v1(-4.953,-13.754) -3.33,-12.131 -3.33,-8.918 -3.175,-8.763 -3.107,-8.763 U3.80@-2.616,-8.273
NetU3_81: U3.81 U4.4 | length 18.4
  Top Layer w0.203: U4.4@-11.516,-19.328 -11.516,-14.014 -10.064,-12.562 -5.05,-12.562 v1(-4.785,-12.827)
  Bottom Layer w0.203: v1(-4.785,-12.827) -4.778,-12.827 -3.683,-11.732 -3.683,-8.598 -3.005,-7.92 U3.81@-2.97,-7.92
NetU3_90: U3.90 X1.5 | length 45.3
  Top Layer w0.203: v1(-7.239,-5.842) -5.357,-7.724 -0.679,-7.724 -0.638,-7.765 3.738,-7.765 7.887,-3.617 7.887,1.366 11.873,5.352 15.131,5.352 16.256,6.477 18.746,6.477 19.784,5.439 v1(19.784,3.702)
  Bottom Layer w0.203: v1(-7.239,-5.842) -7.239,-5.825 U3.90@-6.152,-4.738 ; v1(19.784,3.702) 22.236,1.25 X1.5@23.725,1.25
NetU8_23: U8.23 U8.40 | length 23.2
  Top Layer w0.203: v1(-2.286,-14.478) -2.794,-14.478 -5.588,-17.272 -5.588,-22.124 -3.455,-24.257 -0.775,-24.257 v1(-0.381,-24.651)
  Bottom Layer w0.203: v1(-2.286,-14.478) -1.852,-14.478 -1.25,-15.08 U8.40@-1.25,-16.475 ; U8.23@-2.25,-23.525 -2.25,-25.281 -1.694,-25.837 -0.548,-25.837 -0.381,-25.67 v1(-0.381,-24.651)
RPI+3V3: P13.1 P13.17 RPI1.1 RPI1.17 | length 33.8
  Bottom Layer w0.203: P13.1@-18.036,-24.13 -19.306,-22.86 -21.96,-22.86 RPI1.1@-23.23,-24.13 -24.384,-22.976 -24.384,-4.964 RPI1.17@-23.23,-3.81 -21.96,-2.54 -19.306,-2.54 P13.17@-18.036,-3.81
pads on no net: J1. J1.4 J1.Z1 J3. J3.4 J3.Z1 J4. J4.6 P3.7 P3.8 P7. Q1.2 Q1.4 Q2.2 Q2.4 RPI1. U3.5 U3.6 U3.7 U3.13 U3.14 U3.15 U3.16 U3.18 U3.19 U3.20 U3.21 U3.22 U3.23 U3.27 U3.28 U3.29 U3.30 U3.31 U3.38 U3.39 U3.44 U3.45 U3.46 U3.52 U3.55 U3.57 U3.68 U3.69 U3.70 U3.71 U3.72 U3.76 U3.88 U3.89 U3.94 U5.4 U6.1 U6.2 U6.3 U6.4 U6.5 U6.6 U6.7 U6.12 U6.14 U6.15 U6.16 U6.17 U6.19 U6.21 U7.2 U8.8 U8.9 U8.21 U8.25 U8.26 U8.37 U8.38 U8.42 U8.43 U8.44

## Polygon pours and split planes (outlines as drawn)
GND on Bottom Layer "Bottom Layer-GND" (solid, remove dead copper, pour order 0): -28.448,33.782 -28.448,-33.147 28.956,-33.147 28.956,33.782
GND on Top Layer "Top Layer-GND" (solid, remove dead copper, pour order 2): -28.575,33.909 -28.575,-33.02 28.702,-33.02 28.702,33.909

## Keep-outs
Keep-Out Layer:
  the board outline again, w0.203

## Other copper
Top Layer:
  pour cut-out: -1.894,1.88 -1.894,-1.912 1.725,-1.912 1.905,-1.732 1.905,1.88
  pour cut-out: 19.41,28.829 19.426,28.812 19.426,18.542 21.233,18.542 21.225,28.829
  pour cut-out: -10.066,-27.552
  pour cut-out: 13.589,-19.638 13.589,-26.289 16.925,-26.289 16.925,-26.046 16.925,-19.638
  text "TOP" at -25,31 h1.6
Bottom Layer:
  pour cut-out: 19.402,28.829 19.418,28.812 19.418,18.542 21.226,18.542 21.217,28.829
  pour cut-out: 13.589,-19.812 13.589,-26.23 17.077,-26.23 17.077,-19.846 17.145,-19.779
  pour cut-out: 0.889,-25.716
  text "BOT" at -22.479,30.988 h1.6

## Silkscreen, mask and mechanical layers (free items; w line width, h text height)
Top Overlay:
  drawing of 588 lines, arcs and shapes, not listed
  text "BAT" at -2.314,32.004 h1.52 r180
  text "P2.3" at 16.218,29.464 h1.52 r180
  text "P2.5" at -18.913,29.337 h1.52 r180
  text "GND" at -13.435,29.337 h1.52 r180
  text "+" at 17.954,28.702 h1.52 r90
  text "+" at -17.046,28.448 h1.52 r90
  text "RC" at 27.503,25.403 h1.52 r90
  text "DAC/ADC" at 19.16,23.026 h1.52 r90
  text "RC" at 19.012,19.304 h1.52 r90
  text "1" at 22.479,18.669 h1.52 r90
  text "1" at 19.016,17.553 h1.52 r90
  text "1" at 3.683,14.859 h1.27
  text "2" at 3.64,13.97 h1.27
  text "3" at 3.64,13.081 h1.27
  text "POWER RPI / +5V contin." at 5.291,12.446 h1.4
  text "1" at 3.683,11.303 h1.27
  text "2" at 3.64,10.414 h1.27
  text "3" at 3.64,9.525 h1.27
  text "POWER RPI / +5V switched" at 5.037,9.271 h1.27
  text "USB" at 22.225,6.352 h1.52
  text "PMM TI COP" at 5.266,4.344 h1.65
  text "M100002480" at 6.169,-4.699 h2.03
  text "reset" at 7.81,-7.325 h2.03
  text "102_5_01_004_06" at -14.732,-12.954 h1.52
  text "DEBUG" at 20.418,-16.51 h1.52
  text "ESC 4in1" at 20.951,-24.511 h1.52 r90
  text "1" at 22.036,-25.019 h1.52 r90
  text "www.mci.edu" at 1.803,-25.527 h2.03
  text "1" at -22.987,-26.035 h0.6 r90
  text "2" at -25.527,-26.162 h0.6 r90
  text "debug" at 13.335,-27.305 h1.52
  text "+" at -17.018,-29.368 h1.52 r90
  text "+" at 17.653,-29.439 h1.52 r90
  text "P2.4" at -21.453,-29.464 h1.52
  text "GND" at -16.383,-29.464 h1.52
  text "P2.2" at 13.374,-29.464 h1.52
  text "GND" at 18.711,-29.464 h1.52
  text "FRONT" at 4.572,-31.496 h2.54
Bottom Overlay:
  drawing of 518 lines, arcs and shapes, not listed
  text "www.mci.edu" at 12.736,30.099 h2.03
  text "DAC/ADC" at 27.503,25.403 h1.52
  text "1" at 22.625,24.574 h1.52 r90
  text "PMM TI COP" at 9.779,19.177 h1.65
  text "M100002480" at 2.667,11.938 h2.03
  text "1" at 22.606,-18.796 h1.52 r90
  text "ESC 4in1" at 20.73,-19 h1.52 r90
  text "1" at -23.495,-26.035 h0.6 r270
  text "2" at -26.035,-26.162 h0.6 r270
  text "102_5_01_004_06" at -0.2,-26.924 h1.52

## Text inside footprints (layer, text, board x,y; h text height)
J2: Top Overlay "3" at -7.977,10.922 h1.52; Top Overlay "2" at -7.977,12.065 h1.52; Top Overlay "1" at -7.977,13.208 h1.52
P2: Top Overlay "H" at -5,-28.46 h1.27; Top Overlay "L" at -11.176,-28.448 h1.27; Top Overlay "-" at -10.866,-30.861 h1.27 r180; Top Overlay "+" at -4.978,-31.369 h1.27